# KiCad board HPM6E00FULLPORTRevB.kicad_pcb (continued)
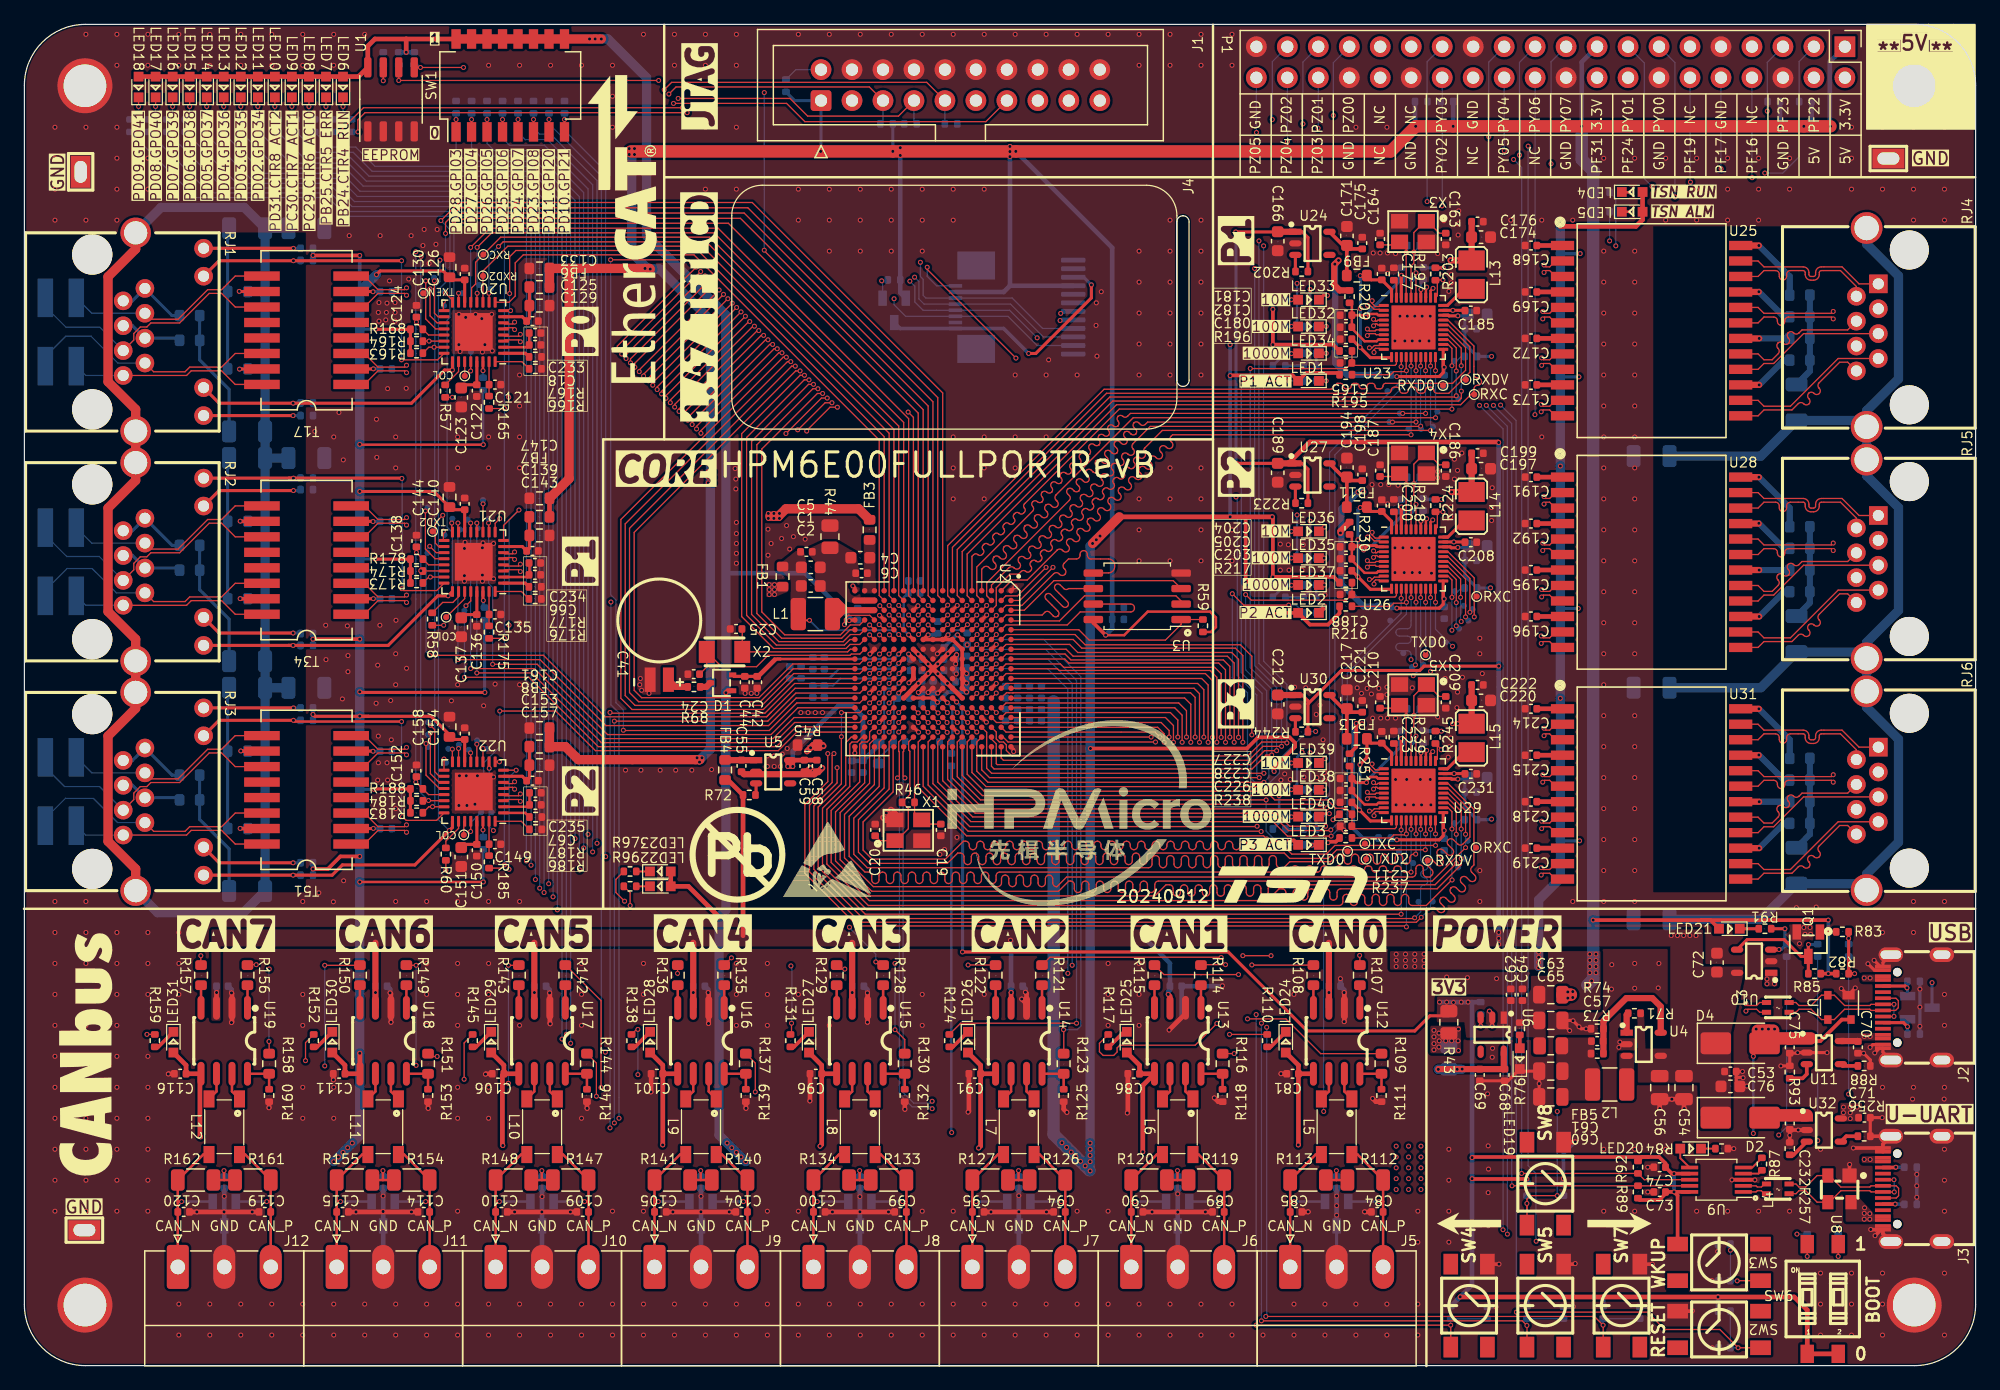
[diagram p0: board, top side]
## Nets (continued)
/HPM6E00 FULL PORT MAINENTRY/26-TSN-P3/G1_DD+: RJ6.7 U31.14
/HPM6E00 FULL PORT MAINENTRY/26-TSN-P3/G1_DD-: RJ6.8 U31.13
/HPM6E00 FULL PORT MAINENTRY/26-TSN-P3/LED0: LED39.1 U29.32
/HPM6E00 FULL PORT MAINENTRY/26-TSN-P3/LED1: LED38.2 R242.1 U29.33
/HPM6E00 FULL PORT MAINENTRY/26-TSN-P3/LED2: R240.1 R243.1 R249.2 U29.34
/HPM6E00 FULL PORT MAINENTRY/26-TSN-P3/MDI0N: U29.2 U31.3
/HPM6E00 FULL PORT MAINENTRY/26-TSN-P3/MDI0P: U29.1 U31.2
/HPM6E00 FULL PORT MAINENTRY/26-TSN-P3/MDI1N: U29.5 U31.6
/HPM6E00 FULL PORT MAINENTRY/26-TSN-P3/MDI1P: U29.4 U31.5
/HPM6E00 FULL PORT MAINENTRY/26-TSN-P3/MDI2N: U29.7 U31.9
/HPM6E00 FULL PORT MAINENTRY/26-TSN-P3/MDI2P: U29.6 U31.8
/HPM6E00 FULL PORT MAINENTRY/26-TSN-P3/MDI3N: U29.10 U31.12
/HPM6E00 FULL PORT MAINENTRY/26-TSN-P3/MDI3P: U29.9 U31.11
/HPM6E00 FULL PORT MAINENTRY/26-TSN-P3/REGOUT: L15.1 U29.30
/HPM6E00 FULL PORT MAINENTRY/PA0: R89.1 U2.K4 U9.9
/HPM6E00 FULL PORT MAINENTRY/PA1: R92.1 U2.K5 U9.8
/HPM6E00 FULL PORT MAINENTRY/PA2: R98.2 U2.J4
/HPM6E00 FULL PORT MAINENTRY/PA3: R99.2 U2.J5
/HPM6E00 FULL PORT MAINENTRY/PA4: J1.13 U2.H3
/HPM6E00 FULL PORT MAINENTRY/PA5: J1.5 R55.2 U2.H4
/HPM6E00 FULL PORT MAINENTRY/PA6: J1.9 R53.2 U2.H5
/HPM6E00 FULL PORT MAINENTRY/PA7: J1.7 R54.2 U2.G5
/HPM6E00 FULL PORT MAINENTRY/PA8: J1.3 U2.K1
/HPM6E00 FULL PORT MAINENTRY/PA9: R165.2 R175.2 R185.2 U2.K2
/HPM6E00 FULL PORT MAINENTRY/PA10: C124.1 C138.1 C152.1 R168.2 R178.2 R188.2 U2.K3 U20.21 U21.21 U22.21
/HPM6E00 FULL PORT MAINENTRY/PA11: R1.1 RJ1.11 U2.J1 U20.25
/HPM6E00 FULL PORT MAINENTRY/PA12: R41.2 U1.5 U2.J2
/HPM6E00 FULL PORT MAINENTRY/PA13: R39.2 U1.6 U2.J3
/HPM6E00 FULL PORT MAINENTRY/PA14: R5.1 RJ2.12 U2.H1 U21.25
/HPM6E00 FULL PORT MAINENTRY/PA15: R9.1 RJ3.12 U2.H2 U22.25
/HPM6E00 FULL PORT MAINENTRY/PA16: R57.2 U2.P1 U20.8
/HPM6E00 FULL PORT MAINENTRY/PA17: U2.P2 U20.9
/HPM6E00 FULL PORT MAINENTRY/PA18: RXD1#3.1 U2.N1 U20.10
/HPM6E00 FULL PORT MAINENTRY/PA19: RXD2.1 U2.N2 U20.11
/HPM6E00 FULL PORT MAINENTRY/PA20: RXD3#2.1 U2.M1 U20.12
/HPM6E00 FULL PORT MAINENTRY/PA21: RXC.1 U2.M2 U20.13
/HPM6E00 FULL PORT MAINENTRY/PA22: P1.22 U2.L1
/HPM6E00 FULL PORT MAINENTRY/PA23: RXER.1 U2.L2 U20.28
/HPM6E00 FULL PORT MAINENTRY/PA24: TXC#3.1 U2.P3 U20.15
/HPM6E00 FULL PORT MAINENTRY/PA25: TXD0#4.1 U2.N3 U20.16
/HPM6E00 FULL PORT MAINENTRY/PA26: TXD1#6.1 U2.N4 U20.17
/HPM6E00 FULL PORT MAINENTRY/PA27: TXD2#6.1 U2.M3 U20.18
/HPM6E00 FULL PORT MAINENTRY/PA28: TXD3#6.1 U2.M4 U20.19
/HPM6E00 FULL PORT MAINENTRY/PA29: TXEN.1 U2.M5 U20.20
/HPM6E00 FULL PORT MAINENTRY/PA30: R163.1 R173.1 R183.1 U2.L4 U20.23 U21.23 U22.23
/HPM6E00 FULL PORT MAINENTRY/PA31: R164.1 R174.1 R184.1 U2.L5 U20.22 U21.22 U22.22
/HPM6E00 FULL PORT MAINENTRY/PB0: RXDV#2.1 U2.G1 U23.26
/HPM6E00 FULL PORT MAINENTRY/PB1: RXD0.1 U2.G2 U23.25
/HPM6E00 FULL PORT MAINENTRY/PB2: RXD1#4.1 U2.F1 U23.24
/HPM6E00 FULL PORT MAINENTRY/PB3: RXD2#4.1 U2.F2 U23.23
/HPM6E00 FULL PORT MAINENTRY/PB4: R194.2 RXD3#4.1 U2.E1 U23.22
/HPM6E00 FULL PORT MAINENTRY/PB5: RXC#3.1 U2.E2 U23.27
/HPM6E00 FULL PORT MAINENTRY/PB6: TXC#4.1 U2.D1 U23.20
/HPM6E00 FULL PORT MAINENTRY/PB7: TXD0#3.1 U2.D2 U23.18
/HPM6E00 FULL PORT MAINENTRY/PB8: TXD1#4.1 U2.C1 U23.17
/HPM6E00 FULL PORT MAINENTRY/PB9: TXD2#4.1 U2.C2 U23.16
/HPM6E00 FULL PORT MAINENTRY/PB10: TXD3#4.1 U2.B1 U23.15
/HPM6E00 FULL PORT MAINENTRY/PB11: TXEN#5.1 U2.C3 U23.19
/HPM6E00 FULL PORT MAINENTRY/PB12: RXDV#3.1 U2.G4 U26.26
/HPM6E00 FULL PORT MAINENTRY/PB13: RXD0#2.1 U2.F3 U26.25
/HPM6E00 FULL PORT MAINENTRY/PB14: RXD1#5.1 U2.F4 U26.24
/HPM6E00 FULL PORT MAINENTRY/PB15: RXD2#2.1 U2.E3 U26.23
/HPM6E00 FULL PORT MAINENTRY/PB16: R215.2 RXD3#5.1 U2.E4 U26.22
/HPM6E00 FULL PORT MAINENTRY/PB17: RXC#4.1 U2.D3 U26.27
/HPM6E00 FULL PORT MAINENTRY/PB18: TXC#5.1 U2.F5 U26.20
/HPM6E00 FULL PORT MAINENTRY/PB19: TXD0.1 U2.E5 U26.18
/HPM6E00 FULL PORT MAINENTRY/PB20: TXD1.1 U2.E6 U26.17
/HPM6E00 FULL PORT MAINENTRY/PB21: TXD2#3.1 U2.D5 U26.16
/HPM6E00 FULL PORT MAINENTRY/PB22: TXD3.1 U2.C4 U26.15
/HPM6E00 FULL PORT MAINENTRY/PB23: TXEN#6.1 U2.C5 U26.19
/HPM6E00 FULL PORT MAINENTRY/PB24: R26.1 U2.A2
/HPM6E00 FULL PORT MAINENTRY/PB25: R27.1 U2.B2
/HPM6E00 FULL PORT MAINENTRY/PC0: R107.1 U2.A6
/HPM6E00 FULL PORT MAINENTRY/PC1: R108.1 U2.B6
/HPM6E00 FULL PORT MAINENTRY/PC2: R109.1 U2.C6
/HPM6E00 FULL PORT MAINENTRY/PC3: R116.1 U2.A7
/HPM6E00 FULL PORT MAINENTRY/PC4: R115.1 U2.B7
/HPM6E00 FULL PORT MAINENTRY/PC5: R114.1 U2.A8
/HPM6E00 FULL PORT MAINENTRY/PC6: R110.1 U2.B8
/HPM6E00 FULL PORT MAINENTRY/PC7: R117.1 U2.A9
/HPM6E00 FULL PORT MAINENTRY/PC8: R121.1 U2.B9
/HPM6E00 FULL PORT MAINENTRY/PC9: R122.1 U2.D6
/HPM6E00 FULL PORT MAINENTRY/PC10: R123.1 U2.D7
/HPM6E00 FULL PORT MAINENTRY/PC11: R124.1 U2.E7
/HPM6E00 FULL PORT MAINENTRY/PC12: R131.1 U2.C8
/HPM6E00 FULL PORT MAINENTRY/PC13: R130.1 U2.D8
/HPM6E00 FULL PORT MAINENTRY/PC14: R129.1 U2.E8
/HPM6E00 FULL PORT MAINENTRY/PC15: R128.1 U2.C9
/HPM6E00 FULL PORT MAINENTRY/PC16: R135.1 U2.D9
/HPM6E00 FULL PORT MAINENTRY/PC17: R136.1 U2.E9
/HPM6E00 FULL PORT MAINENTRY/PC18: R137.1 U2.A10
/HPM6E00 FULL PORT MAINENTRY/PC19: R144.1 U2.B10
/HPM6E00 FULL PORT MAINENTRY/PC20: R143.1 U2.A11
/HPM6E00 FULL PORT MAINENTRY/PC21: R142.1 U2.B11
/HPM6E00 FULL PORT MAINENTRY/PC22: R138.1 U2.A12
/HPM6E00 FULL PORT MAINENTRY/PC23: R145.1 U2.B12
/HPM6E00 FULL PORT MAINENTRY/PC24: R149.1 U2.A13
/HPM6E00 FULL PORT MAINENTRY/PC25: R150.1 U2.B13
/HPM6E00 FULL PORT MAINENTRY/PC26: R151.1 U2.A14
/HPM6E00 FULL PORT MAINENTRY/PC27: R152.1 U2.B14
/HPM6E00 FULL PORT MAINENTRY/PC28: R159.1 U2.A15
/HPM6E00 FULL PORT MAINENTRY/PC29: R28.1 U2.B15
/HPM6E00 FULL PORT MAINENTRY/PC30: R29.1 U2.A16
/HPM6E00 FULL PORT MAINENTRY/PC31: R30.1 U2.B16
/HPM6E00 FULL PORT MAINENTRY/PD0: R96.1 U2.C10
/HPM6E00 FULL PORT MAINENTRY/PD1: R97.1 U2.D10
/HPM6E00 FULL PORT MAINENTRY/PD2: R31.1 U2.E10
/HPM6E00 FULL PORT MAINENTRY/PD3: R32.1 U2.D11
/HPM6E00 FULL PORT MAINENTRY/PD4: R33.1 U2.E11
/HPM6E00 FULL PORT MAINENTRY/PD5: R34.1 U2.C12
/HPM6E00 FULL PORT MAINENTRY/PD6: R35.1 U2.D12
/HPM6E00 FULL PORT MAINENTRY/PD7: R36.1 U2.E12
/HPM6E00 FULL PORT MAINENTRY/PD8: R37.1 U2.C13
/HPM6E00 FULL PORT MAINENTRY/PD9: R38.1 U2.D13
/HPM6E00 FULL PORT MAINENTRY/PD10: R18.2 SW1.8 U2.E13
/HPM6E00 FULL PORT MAINENTRY/PD11: R19.2 SW1.7 U2.C14
/HPM6E00 FULL PORT MAINENTRY/PD12: R13.1 U2.D15
/HPM6E00 FULL PORT MAINENTRY/PD13: R16.1 U2.C15
/HPM6E00 FULL PORT MAINENTRY/PD14: R17.1 U2.B17
/HPM6E00 FULL PORT MAINENTRY/PD15: R203.1 U2.C16 U23.31
/HPM6E00 FULL PORT MAINENTRY/PD16: C165.1 R196.2 U2.C17 U23.12
/HPM6E00 FULL PORT MAINENTRY/PD17: C188.1 R217.2 U2.D16 U26.12
/HPM6E00 FULL PORT MAINENTRY/PD18: R224.1 U2.D17 U26.31
/HPM6E00 FULL PORT MAINENTRY/PD19: R245.1 U2.E16 U29.31
/HPM6E00 FULL PORT MAINENTRY/PD20: R14.1 U2.E17
/HPM6E00 FULL PORT MAINENTRY/PD21: R15.1 U2.F16
/HPM6E00 FULL PORT MAINENTRY/PD22: C211.1 R238.2 U2.F17 U29.12
/HPM6E00 FULL PORT MAINENTRY/PD23: R20.2 SW1.6 U2.E15
/HPM6E00 FULL PORT MAINENTRY/PD24: R21.2 SW1.5 U2.E14
/HPM6E00 FULL PORT MAINENTRY/PD25: R22.2 SW1.4 U2.F15
/HPM6E00 FULL PORT MAINENTRY/PD26: R23.2 SW1.3 U2.F14
/HPM6E00 FULL PORT MAINENTRY/PD27: R24.2 SW1.2 U2.F13
/HPM6E00 FULL PORT MAINENTRY/PD28: R25.2 SW1.1 U2.G14
/HPM6E00 FULL PORT MAINENTRY/PD29: R158.1 U2.G13
/HPM6E00 FULL PORT MAINENTRY/PD30: R157.1 U2.H15
/HPM6E00 FULL PORT MAINENTRY/PD31: R156.1 U2.H14
/HPM6E00 FULL PORT MAINENTRY/PE0: MDC#2.1 U2.G17 U23.13
/HPM6E00 FULL PORT MAINENTRY/PE1: R195.2 U2.G16 U23.14
/HPM6E00 FULL PORT MAINENTRY/PE2: C80.1 R101.2 SW8.4 U2.H17
/HPM6E00 FULL PORT MAINENTRY/PE3: T78.1 U2.H16 U26.13
/HPM6E00 FULL PORT MAINENTRY/PE4: R216.2 U2.J17 U26.14
/HPM6E00 FULL PORT MAINENTRY/PE5: C77.1 R94.2 SW4.4 U2.J16
/HPM6E00 FULL PORT MAINENTRY/PE6: C78.1 R95.2 SW5.4 U2.K17
/HPM6E00 FULL PORT MAINENTRY/PE7: C79.1 R100.2 SW7.4 U2.K16
/HPM6E00 FULL PORT MAINENTRY/PE8: R60.2 U2.J15 U22.8
/HPM6E00 FULL PORT MAINENTRY/PE9: U2.J14 U22.9
/HPM6E00 FULL PORT MAINENTRY/PE10: RXD1#2.1 U2.H13 U22.10
/HPM6E00 FULL PORT MAINENTRY/PE11: RXD2#5.1 U2.K15 U22.11
/HPM6E00 FULL PORT MAINENTRY/PE12: RXD3#3.1 U2.K14 U22.12
/HPM6E00 FULL PORT MAINENTRY/PE13: RXC#6.1 U2.J13 U22.13
/HPM6E00 FULL PORT MAINENTRY/PE14: TXC#2.1 U2.L14 U22.15
/HPM6E00 FULL PORT MAINENTRY/PE15: TXD0#5.1 U2.L13 U22.16
/HPM6E00 FULL PORT MAINENTRY/PE16: TXD1#5.1 U2.K13 U22.17
/HPM6E00 FULL PORT MAINENTRY/PE17: TXD2#5.1 U2.M15 U22.18
/HPM6E00 FULL PORT MAINENTRY/PE18: TXD3#3.1 U2.M14 U22.19
/HPM6E00 FULL PORT MAINENTRY/PE19: TXEN#4.1 U2.M13 U22.20
/HPM6E00 FULL PORT MAINENTRY/PE20: RXDV.1 U2.R17 U29.26
/HPM6E00 FULL PORT MAINENTRY/PE21: RXD0#3.1 U2.R16 U29.25
/HPM6E00 FULL PORT MAINENTRY/PE22: RXD1.1 U2.R15 U29.24
/HPM6E00 FULL PORT MAINENTRY/PE23: RXD2#6.1 U2.T17 U29.23
/HPM6E00 FULL PORT MAINENTRY/PE24: R236.2 RXD3.1 U2.T16 U29.22
/HPM6E00 FULL PORT MAINENTRY/PE25: RXC#2.1 U2.U16 U29.27
/HPM6E00 FULL PORT MAINENTRY/PE26: TXC.1 U2.N17 U29.20
/HPM6E00 FULL PORT MAINENTRY/PE27: TXD0#2.1 U2.N16 U29.18
/HPM6E00 FULL PORT MAINENTRY/PE28: TXD1#2.1 U2.N15 U29.17
/HPM6E00 FULL PORT MAINENTRY/PE29: TXD2.1 U2.P17 U29.16
/HPM6E00 FULL PORT MAINENTRY/PE30: TXD3#2.1 U2.P16 U29.15
/HPM6E00 FULL PORT MAINENTRY/PE31: TXEN#3.1 U2.P15 U29.19
/HPM6E00 FULL PORT MAINENTRY/PF0: MDC.1 U2.T13 U29.13
/HPM6E00 FULL PORT MAINENTRY/PF1: R237.2 U2.N12 U29.14
/HPM6E00 FULL PORT MAINENTRY/PF2: TXC#6.1 U2.U12 U21.15
/HPM6E00 FULL PORT MAINENTRY/PF3: TXD0#6.1 U2.N13 U21.16
/HPM6E00 FULL PORT MAINENTRY/PF4: TXD1#3.1 U2.N14 U21.17
/HPM6E00 FULL PORT MAINENTRY/PF5: TXD2#2.1 U2.R14 U21.18
/HPM6E00 FULL PORT MAINENTRY/PF6: TXD3#5.1 U2.U11 U21.19
/HPM6E00 FULL PORT MAINENTRY/PF7: TXEN#2.1 U2.R13 U21.20
/HPM6E00 FULL PORT MAINENTRY/PF8: R58.2 U2.R12 U21.8
/HPM6E00 FULL PORT MAINENTRY/PF9: U2.P13 U21.9
/HPM6E00 FULL PORT MAINENTRY/PF10: TRXD1.1 U2.U13 U21.10
/HPM6E00 FULL PORT MAINENTRY/PF11: RXD2#3.1 U2.P12 U21.11
/HPM6E00 FULL PORT MAINENTRY/PF12: TRXD3.1 U2.T14 U21.12
/HPM6E00 FULL PORT MAINENTRY/PF13: RXC#5.1 U2.U14 U21.13
/HPM6E00 FULL PORT MAINENTRY/PF14: RXER#2.1 U2.U15 U21.28
/HPM6E00 FULL PORT MAINENTRY/PF15: RXER#3.1 U2.T15 U22.28
/HPM6E00 FULL PORT MAINENTRY/PF16: P1.8 U2.U9
/HPM6E00 FULL PORT MAINENTRY/PF17: P1.10 U2.U10
/HPM6E00 FULL PORT MAINENTRY/PF18: R86.2 U2.T10
/HPM6E00 FULL PORT MAINENTRY/PF19: P1.12 U2.T8
/HPM6E00 FULL PORT MAINENTRY/PF20: R90.2 U2.T11
/HPM6E00 FULL PORT MAINENTRY/PF21: R81.1 U2.N11
/HPM6E00 FULL PORT MAINENTRY/PF22: P1.3 R103.1 U2.T9
/HPM6E00 FULL PORT MAINENTRY/PF23: P1.5 R104.1 U2.R8
/HPM6E00 FULL PORT MAINENTRY/PF24: P1.16 U2.P9
/HPM6E00 FULL PORT MAINENTRY/PF25: Q2.1 R102.1 U2.P10
/HPM6E00 FULL PORT MAINENTRY/PF26: J4.A6 J4.B9 U2.T12
/HPM6E00 FULL PORT MAINENTRY/PF27: J4.A8 J4.B8 U2.P11
/HPM6E00 FULL PORT MAINENTRY/PF28: J4.A4 J4.B7 U2.R10
/HPM6E00 FULL PORT MAINENTRY/PF29: J4.A5 J4.B10 U2.N10
/HPM6E00 FULL PORT MAINENTRY/PF30: J4.A3 J4.B11 U2.N9
/HPM6E00 FULL PORT MAINENTRY/PF31: P1.18 U2.R9
/HPM6E00 FULL PORT MAINENTRY/PY0: P1.13 U2.U6
/HPM6E00 FULL PORT MAINENTRY/PY1: P1.15 U2.T6
/HPM6E00 FULL PORT MAINENTRY/PY2: P1.28 R106.1 U2.U5
/HPM6E00 FULL PORT MAINENTRY/PY3: P1.27 R105.1 U2.T5
/HPM6E00 FULL PORT MAINENTRY/PY4: P1.23 U2.R6
/HPM6E00 FULL PORT MAINENTRY/PY5: P1.24 U2.R5
/HPM6E00 FULL PORT MAINENTRY/PY6: P1.21 U2.P5
/HPM6E00 FULL PORT MAINENTRY/PY7: P1.19 U2.N5
/HPM6E00 FULL PORT MAINENTRY/PZ0: P1.33 U2.P8
/HPM6E00 FULL PORT MAINENTRY/PZ1: P1.35 U2.N8
/HPM6E00 FULL PORT MAINENTRY/PZ2: P1.37 U2.P7
/HPM6E00 FULL PORT MAINENTRY/PZ3: P1.36 U2.N7
/HPM6E00 FULL PORT MAINENTRY/PZ4: P1.38 U2.P6
/HPM6E00 FULL PORT MAINENTRY/PZ5: P1.40 U2.N6
/HPM6E00 FULL PORT MAINENTRY/USB0_N: L3.3 U2.M17
/HPM6E00 FULL PORT MAINENTRY/USB0_P: L3.2 U2.M16
DCDC_GND: C1.2 C2.2 C4.2 C5.2 C6.2 R44.2 U2.R2 U2.T2 U2.U2
DCDC_IN: C4.1 C6.1 FB3.1 U2.R1 U2.T1
DCDC_LP: L1.2 U2.R3 U2.T3 U2.U3
DCDC_SNS: C1.1 C2.1 C5.1 FB1.1 L1.1 U2.M6
VANA: C3.1 C7.1 FB2.1 U2.M11
Net-(C41-Pad1): C41.1 R68.1
Net-(C57-Pad1): C57.1 C60.1 C61.1 FB5.2 L2.2 R73.2
Net-(C83-Pad1): C83.1 R112.1 R113.2
Net-(C88-Pad1): C88.1 R119.1 R120.2
Net-(C93-Pad1): C93.1 R126.1 R127.2
Net-(C98-Pad1): C98.1 R133.1 R134.2
Net-(C103-Pad1): C103.1 R140.1 R141.2
Net-(C108-Pad1): C108.1 R147.1 R148.2
Net-(C113-Pad1): C113.1 R154.1 R155.2
Net-(C118-Pad1): C118.1 R161.1 R162.2
Net-(C127-Pad2): C127.2 T17.2
Net-(C128-Pad1): C128.1 T17.7
Net-(C131-Pad1): C131.1 R169.1 R170.1
Net-(C132-Pad1): C132.1 R171.1 R172.1
Net-(C141-Pad2): C141.2 T34.2
Net-(C142-Pad1): C142.1 T34.7
Net-(C145-Pad1): C145.1 R179.1 R180.1
Net-(C146-Pad1): C146.1 R181.1 R182.1
Net-(C155-Pad2): C155.2 T51.2
Net-(C156-Pad1): C156.1 T51.7
Net-(C159-Pad1): C159.1 R189.1 R190.1
Net-(C160-Pad1): C160.1 R191.1 R192.1
Net-(C183-Pad1): C183.1 R210.1 R211.1 R212.1 R213.1
Net-(C206-Pad1): C206.1 R231.1 R232.1 R233.1 R234.1
Net-(C229-Pad1): C229.1 R252.1 R253.1 R254.1 R255.1
Net-(D1-Pad3): D1.3 R68.2
Net-(D2-A): C232.1 D2.2 U32.1
Net-(D3-K): D3.3 R81.2 R82.1 R83.2
Net-(J1-VCC/NC): J1.2 R51.1
Net-(J2-CC1): D3.1 J2.A5 R79.2
Net-(J2-CC2): D3.2 J2.B5 R77.2
Net-(J3-CC1): J3.A5 R80.2
Net-(J3-CC2): J3.B5 R78.2
Net-(LED1-K): LED1.1 R13.2
Net-(LED2-K): LED2.1 R14.2
Net-(LED3-K): LED3.1 R15.2
Net-(LED4-K): LED4.1 R16.2
Net-(LED5-K): LED5.1 R17.2
Net-(LED6-K): LED6.1 R26.2
Net-(LED7-K): LED7.1 R27.2
Net-(LED8-K): LED8.1 R28.2
Net-(LED9-K): LED9.1 R29.2
Net-(LED10-K): LED10.1 R30.2
Net-(LED11-K): LED11.1 R31.2
Net-(LED12-K): LED12.1 R32.2
Net-(LED13-K): LED13.1 R33.2
Net-(LED14-K): LED14.1 R34.2
Net-(LED15-K): LED15.1 R35.2
Net-(LED16-K): LED16.1 R36.2
Net-(LED17-K): LED17.1 R37.2
Net-(LED18-K): LED18.1 R38.2
Net-(LED19-A): LED19.2 R76.1
Net-(LED20-A): LED20.2 U9.6
Net-(LED20-K): LED20.1 R84.2
Net-(LED21-K): LED21.1 R91.2
Net-(LED22-K): LED22.1 R96.2
Net-(LED23-K): LED23.1 R97.2
Net-(LED24-K): LED24.1 R110.2
Net-(LED25-K): LED25.1 R117.2
Net-(LED26-K): LED26.1 R124.2
Net-(LED27-K): LED27.1 R131.2
Net-(LED28-K): LED28.1 R138.2
Net-(LED29-K): LED29.1 R145.2
Net-(LED30-K): LED30.1 R152.2
Net-(LED31-K): LED31.1 R159.2
Net-(LED32-K): LED32.1 R205.1
Net-(LED33-A): LED33.2 R204.1
Net-(LED34-A): LED34.2 R198.2 R199.2
Net-(LED34-K): LED34.1 R206.1 R207.1
Net-(LED35-K): LED35.1 R226.1
Net-(LED36-A): LED36.2 R225.1
Net-(LED37-A): LED37.2 R219.2 R220.2
Net-(LED37-K): LED37.1 R227.1 R228.1
Net-(LED38-K): LED38.1 R247.1
Net-(LED39-A): LED39.2 R246.1
Net-(LED40-A): LED40.2 R240.2 R241.2
Net-(LED40-K): LED40.1 R248.1 R249.1
Net-(Q1-D): Q1.3 R85.1 R86.1 U10.4
Net-(Q1-G): Q1.1 R83.1
Net-(Q2-D): J4.A1 J4.B3 Q2.3
Net-(R169-Pad2): R169.2 T17.10
Net-(R170-Pad2): R170.2 T17.15
Net-(R171-Pad2): R171.2 RJ1.4 RJ1.5
Net-(R172-Pad2): R172.2 RJ1.7 RJ1.8
Net-(R179-Pad2): R179.2 T34.10
Net-(R180-Pad2): R180.2 T34.15
Net-(R181-Pad2): R181.2 RJ2.4 RJ2.5
Net-(R182-Pad2): R182.2 RJ2.7 RJ2.8
Net-(R189-Pad2): R189.2 T51.10
Net-(R190-Pad2): R190.2 T51.15
Net-(R191-Pad2): R191.2 RJ3.4 RJ3.5
Net-(R192-Pad2): R192.2 RJ3.7 RJ3.8
Net-(SW6-PIN3): R99.1 SW6.3
Net-(SW6-PIN4): R98.1 SW6.4
Net-(U1-WP): R40.1 U1.7
Net-(U2C-USB0_VBUS): C23.1 R49.2 U2.H12
Net-(U2C-XTALI): C19.1 R46.2 U2.L17 X1.3
Net-(U2C-XTALO): C20.1 R46.1 U2.L16 X1.1
Net-(U2P-VDD_OTPCAP): C49.1 C50.1 U2.M8
Net-(U2P-VDD_PHY0CAP): C47.1 C48.1 U2.M7
Net-(U2P-VDD_PHY1CAP): C45.1 C46.1 U2.L6
Net-(U2P-VDD_PMCCAP): C51.1 C52.1 U2.M9
Net-(U4-EN): R71.2 U4.1
Net-(U4-FB): C57.2 R73.1 R74.2 U4.5
Net-(U4-LX): L2.1 U4.3
Net-(U5-EN): R72.2 U5.3
Net-(U5-IN): C55.1 FB4.1 U5.1
Net-(U6-EN): R75.2 U6.3
Net-(U9-~{CTS}): R87.2 U9.5
Net-(U9-~{RTS}): R87.1 U9.4
Net-(U10-FLG): R90.1 R91.1 U10.3
Net-(U11-EN): R88.2 U11.4
Net-(U11-IADJ): R93.2 U11.3
Net-(U11-IN): C70.1 J2.A4 J2.A9 J2.B4 J2.B9 U11.5
Net-(U12-CANH): L5.1 U12.7
Net-(U12-CANL): L5.2 U12.6
Net-(U12-RXD): R108.2 U12.4
Net-(U12-STB): R109.2 R111.2 U12.8
Net-(U12-TXD): R107.2 U12.1
Net-(U13-CANH): L6.1 U13.7
Net-(U13-CANL): L6.2 U13.6
Net-(U13-RXD): R115.2 U13.4
Net-(U13-STB): R116.2 R118.2 U13.8
Net-(U13-TXD): R114.2 U13.1
Net-(U14-CANH): L7.1 U14.7
Net-(U14-CANL): L7.2 U14.6
Net-(U14-RXD): R122.2 U14.4
Net-(U14-STB): R123.2 R125.2 U14.8
Net-(U14-TXD): R121.2 U14.1
Net-(U15-CANH): L8.1 U15.7
Net-(U15-CANL): L8.2 U15.6
Net-(U15-RXD): R129.2 U15.4
Net-(U15-STB): R130.2 R132.2 U15.8
Net-(U15-TXD): R128.2 U15.1
Net-(U16-CANH): L9.1 U16.7
Net-(U16-CANL): L9.2 U16.6
Net-(U16-RXD): R136.2 U16.4
Net-(U16-STB): R137.2 R139.2 U16.8
Net-(U16-TXD): R135.2 U16.1
Net-(U17-CANH): L10.1 U17.7
Net-(U17-CANL): L10.2 U17.6
Net-(U17-RXD): R143.2 U17.4
Net-(U17-STB): R144.2 R146.2 U17.8
Net-(U17-TXD): R142.2 U17.1
Net-(U18-CANH): L11.1 U18.7
Net-(U18-CANL): L11.2 U18.6
Net-(U18-RXD): R150.2 U18.4
Net-(U18-STB): R151.2 R153.2 U18.8
Net-(U18-TXD): R149.2 U18.1
Net-(U19-CANH): L12.1 U19.7
Net-(U19-CANL): L12.2 U19.6
Net-(U19-RXD): R157.2 U19.4
Net-(U19-STB): R158.2 R160.2 U19.8
Net-(U19-TXD): R156.2 U19.1
Net-(U20-COL): COL.1 U20.27
Net-(U20-CRS_DV): R57.1 U20.26
Net-(U20-DVDD1V2): C122.2 C123.2 U20.29
Net-(U20-EN_DLDO): R47.2 U20.30
Net-(U20-RBIAS): R167.2 U20.1
Net-(U20-REFCLK_SEL): C18.2 C233.1 U20.2
Net-(U20-XI): C121.1 R165.1 U20.31
Net-(U20-XO): R166.2 U20.32
Net-(U21-COL): COL#3.1 U21.27
Net-(U21-CRS_DV): R58.1 U21.26
Net-(U21-DVDD1V2): C136.2 C137.2 U21.29
Net-(U21-EN_DLDO): R52.2 U21.30
Net-(U21-RBIAS): R177.2 U21.1
Net-(U21-REFCLK_SEL): C66.2 C234.1 U21.2
Net-(U21-XI): C135.1 R175.1 U21.31
Net-(U21-XO): R176.2 U21.32
Net-(U22-COL): COL#2.1 U22.27
Net-(U22-CRS_DV): R60.1 U22.26
Net-(U22-DVDD1V2): C150.2 C151.2 U22.29
Net-(U22-EN_DLDO): R56.2 U22.30
Net-(U22-RBIAS): R187.2 U22.1
Net-(U22-REFCLK_SEL): C67.2 C235.1 U22.2
Net-(U22-XI): C149.1 R185.1 U22.31
Net-(U22-XO): R186.2 U22.32
Net-(U23-CLKOUT): COUT#2.1 U23.35
Net-(U23-RBIAS): R197.2 U23.39
Net-(U23-XI): C163.1 R193.1 U23.36 X3.1
Net-(U23-XO): C164.1 R193.2 U23.37 X3.3
Net-(U24-EN): R202.2 U24.3
Net-(U24-OUT): C171.1 C175.1 FB9.2 U24.5
Net-(U25-MCT1): R213.2 U25.24
Net-(U25-MCT2): R212.2 U25.21
Net-(U25-MCT3): R211.2 U25.18
Net-(U25-MCT4): R210.2 U25.15
Net-(U25-TCT1): C168.1 U25.1
Net-(U25-TCT2): C169.1 U25.4
Net-(U25-TCT4): C173.1 U25.10
Net-(U25-TDT3): C172.1 U25.7
Net-(U26-CLKOUT): COUT#3.1 U26.35
Net-(U26-RBIAS): R218.2 U26.39
Net-(U26-XI): C186.1 R214.1 U26.36 X4.1
Net-(U26-XO): C187.1 R214.2 U26.37 X4.3
Net-(U27-EN): R223.2 U27.3
Net-(U27-OUT): C194.1 C198.1 FB11.2 U27.5
Net-(U28-MCT1): R234.2 U28.24
Net-(U28-MCT2): R233.2 U28.21
Net-(U28-MCT3): R232.2 U28.18
Net-(U28-MCT4): R231.2 U28.15
Net-(U28-TCT1): C191.1 U28.1
Net-(U28-TCT2): C192.1 U28.4
Net-(U28-TCT4): C196.1 U28.10
Net-(U28-TDT3): C195.1 U28.7
Net-(U29-CLKOUT): COUT.1 U29.35
Net-(U29-RBIAS): R239.2 U29.39
Net-(U29-XI): C209.1 R235.1 U29.36 X5.1
Net-(U29-XO): C210.1 R235.2 U29.37 X5.3
Net-(U30-EN): R244.2 U30.3
Net-(U30-OUT): C217.1 C221.1 FB13.2 U30.5
Net-(U31-MCT1): R255.2 U31.24
Net-(U31-MCT2): R254.2 U31.21
Net-(U31-MCT3): R253.2 U31.18
Net-(U31-MCT4): R252.2 U31.15
Net-(U31-TCT1): C214.1 U31.1
Net-(U31-TCT2): C215.1 U31.4
Net-(U31-TCT4): C219.1 U31.10
Net-(U31-TDT3): C218.1 U31.7
Net-(U32-EN): R256.2 U32.4
Net-(U32-IADJ): R257.2 U32.3

Pads without a net: J1 11 15 17 19; J2 A8 B8; J3 A8 B8; SW2 1 3; SW3 1 3; SW4 1 3; SW5 1 3; SW7 1 3; SW8 1 3; T17 4 5 12 13; T34 4 5 12 13; T51 4 5 12 13; U5 4; U6 4; U24 4; U27 4; U30 4

## Via types
v1: diameter 0.406, hole 0.254, Top to Bottom, 1935 vias

## Routing (per net, layer and track width the routed paths; a pad name or vN(x,y) marks a point on that pad's centre or on a via; arc(x,y) is an arc through that point)
+1V8: length 8.8
  Top w0.508: v1(115.94,24.3) 115.96,24.32 v1(117.9,24.32) C68.1 121.31,24.39 U6.5
  Bottom w0.762: 117.88,24.3 v1(117.49,24.3) R42.1 115.94,24.3 v1(115.94,24.3)
+3.3V: length 604.3
  Top w0.203: v1(88.66,59.91) 90.19,59.91 92.12,61.84 97.22,61.84 97.7,61.36 97.7,60.57 97.3,60.17 R59.2
  Top w0.254: v1(76.93,33.92) 98.72,33.92 105.2,27.45 114.01,27.45 115.25,28.69 116.83,28.69 ; v1(76.44,54.42) 76.11,54.75 U2.G12
  Top w0.3: v1(135.27,14.25) 135.56,13.95 SW3.2 ; v1(135.27,14.25) 134.58,14.25 C73.2 134.57,14.1 134.05,13.58 132.47,13.58 R89.2 ; v1(135.27,14.25) U9.10 ; v1(118.71,17.06) 118.76,17.11 133.16,17.11 ; LED21.2 138.25,36.54 137.51,36.54 ; R85.2 v1(147.92,32.15) R82.2 ; 137.51,36.54 v1(147.92,36.54) ; 137.51,36.54 v1(128.64,36.54) ; 133.16,17.11 132.64,17.11 R92.2 ; 133.16,17.11 134.05,17.11 134.57,16.59 C74.1 135.1,15.75 v1(135.27,15.75) U9.7 ; v1(118.71,15.33) 118.73,15.31 v1(123.21,15.31) ; U3.8 87.65,60.92 v1(88.66,59.91)
  Top w0.381: SW6.2 SW6.1 146.19,4.56 145.13,5.63 v1(138.88,5.63) v1(129.48,5.63) v1(123.23,5.63) 117.74,5.63 v1(117.73,5.64) ; FB7.1 C147.1
  Top w0.762: 44.67,89.98 v1(50.89,89.98) 51.27,89.98 v1(51.32,89.93) ; 44.67,89.98 C133.1 FB6.1 ; 44.67,89.98 44.67,72.74 C147.1 ; FB3.2 68.4,70.27 62.45,70.27 61.84,69.66 61.13,69.66 ; C161.1 FB8.1 44.36,50.77 45.43,49.7 55.39,49.7
  Top w1.016: v1(148.1,101.64) v1(145.91,101.64) v1(143.93,101.64) v1(127.7,101.64) v1(117.16,101.64) v1(114.09,101.64) 112.03,99.58 v1(81.3,99.58) v1(71.21,99.58) v1(65.29,99.58) 49.75,99.58
  POWER3 w0.762: 61.84,69.66 59.25,69.66 56.25,72.66 56.25,73.42
  Bottom w0.203: v1(76.44,54.42) 76.9,53.96 76.9,51.2 C21.1
  Bottom w0.254: v1(71.21,99.58) 71.21,99.59 R55.1 72.15,101.84 ; C21.1 76.93,33.93 v1(76.93,33.92) ; v1(65.29,99.58) 65.33,99.62 J1.1 63.16,103.75 R51.2
  Bottom w0.3: v1(135.27,14.25) v1(135.27,15.75) ; v1(123.21,15.31) 123.21,15.3 R101.1 ; v1(147.92,36.54) v1(147.92,32.15)
  Bottom w0.381: J4.A7 80.31,88.06 80.82,88.56 ; v1(138.88,5.63) 138.88,5.63 R48.1 ; v1(129.48,5.63) 129.46,5.61 R100.1 ; 71.82,99.56 v1(71.82,99.25) R102.2 71.82,87.99 Q2.2 ; 71.82,99.56 71.24,99.56 v1(71.21,99.58) ; 71.82,99.56 v1(71.82,99.89) ; R75.1 118.71,29.81 ; 118.71,29.81 v1(118.71,17.06) v1(118.71,15.33) 118.71,6.61 v1(117.73,5.64) R94.1 ; 118.71,29.81 v1(118.38,29.81) v1(117.82,29.81) 117.21,29.81 v1(117.19,29.78) 117.16,29.81 v1(116.63,29.81) v1(116.04,29.81) ; v1(114.09,101.64) 114.03,101.69 R105.2 ; v1(148.1,101.64) 148.05,101.69 148.05,106.93 P1.1 ; R104.2 143.96,101.67 v1(143.93,101.64) ; v1(117.16,101.64) 117.16,101.64 R106.2 ; v1(127.7,101.64) 127.7,106.91 P1.17 ; v1(123.23,5.63) 123.21,5.61 R95.1 ; v1(80.81,99.57) 81.28,99.57 v1(81.3,99.58) 89.2,91.68 89.2,60.44 v1(88.66,59.91) ; R103.2 146.55,102.28 v1(145.91,101.64) ; 80.82,88.56 80.82,99.99 v1(80.81,99.99) 80.81,99.58 ; 80.82,88.56 J4.B4
  Bottom w0.762: 49.82,99.71 49.8,99.68 49.8,91.28 51.15,89.93 52.09,89.93 ; 55.39,49.7 56.25,50.56 56.25,85.77 52.09,89.93 ; 52.09,89.93 v1(51.32,89.93)
  Bottom w1.016: v1(128.16,31.21) v1(128.51,31.56) 128.64,31.69 v1(128.64,36.54) 128.64,97.83 128.72,97.91 127.7,98.92 v1(127.7,101.64)
  vias: v1(49.6,99.81) v1(49.6,99.33) v1(50.03,99.81) v1(50.03,99.33) v1(55.16,49.85) v1(55.36,49.49) v1(55.57,49.85) v1(56.07,73.32) v1(56.07,72.86) v1(56.07,72.41) v1(56.48,73.29) v1(56.48,72.84) v1(56.48,72.38) v1(61,69.89) v1(61,69.48) v1(61.46,69.89) v1(61.46,69.48) v1(61.92,69.89) v1(61.92,69.48) v1(80.81,99.15) v1(128.36,33.75) v1(128.36,33.24) v1(128.36,32.73) v1(128.36,32.22) v1(128.87,33.75) v1(128.87,33.24) v1(128.87,32.73) v1(128.87,32.22)
+3.3VA: length 25.8
  Top w0.3: v1(71.72,55.97) U2.M10
  Top w0.381: v1(63.01,49.14) 62.68,49.14 ; 63.01,49.15 63.01,49.48 ; C58.1 62.8,49.66 U5.5 62.6,49.46 v1(62.6,49.14) ; 62.83,49.15 62.83,49.48
  Bottom w0.152: v1(71.72,55.97) 71.29,55.54 70.75,55.54 70.5,55.29 70.5,51.37 70.32,51.19
  Bottom w0.381: C8.1 70.04,50.88 FB2.2 ; C8.1 68.75,49.59 C11.1 ; C8.1 68.77,53.24 67.91,54.09 66.72,54.09 63.01,50.38 v1(63.01,49.14) v1(62.6,49.14)
+5V: length 378.1
  Top w0.254: 105.25,54.27 107.99,57.01 114.42,57.01 114.77,57.37 v1(120.89,57.37) ; 105.25,54.27 105.25,54.53 104.78,55 U30.1 ; 105.25,54.27 R244.1 ; R223.1 105.25,73.52 104.78,74 U27.1 v1(99.38,74) ; R202.1 105.25,92.52 104.78,92.99 U24.1 ; C166.1 102.76,92.98 v1(99.33,92.98)
  Top w0.381: U18.3 28.78,30.59 v1(28.79,30.6) ; v1(93.79,30.44) 93.94,30.3 U13.3 ; U17.3 41.82,30.59 v1(41.82,30.6) ; U19.3 15.75,30.59 v1(15.76,30.6) ; v1(67.88,30.6) 67.88,30.59 U15.3 ; FB4.2 57.7,48.03 R72.1 58.93,35.26 ; v1(120.89,75.71) 120.85,75.75 105.4,75.75 103.65,74 ; U16.3 54.85,30.59 v1(54.85,30.6) ; v1(106.97,30.6) 106.97,30.59 U12.3 ; v1(80.91,30.6) 80.91,30.59 U14.3
  Top w0.508: C166.1 102.77,92.99 U24.1 ; U30.1 102.77,55 C212.1 ; U15.3 67.88,34.68 ; U27.1 102.77,74 C189.1 ; U17.3 41.82,34.68 ; U12.3 106.97,34.68 ; U16.3 54.85,34.68 ; U18.3 28.78,34.68
  POWER3 w1.016: 138.14,35.12 146.14,43.12 ; v1(137.07,35.27) 139.66,35.27 147.06,42.66 147.06,105.31 P1.4 ; v1(137.07,35.27) v1(135.04,35.27) ; v1(137.07,35.27) 137.96,35.27 ; 145.25,41.75 145.25,94.02 ; 146.07,43.27 146.07,93.64
  POWER3 w1.27: P1.2 P1.4
  Bottom w0.254: v1(99.33,92.98) 99.35,92.95 99.35,74.02 v1(99.38,74)
  Bottom w0.381: C97.2 67.88,31.11 v1(67.88,30.6) ; v1(80.91,30.6) 80.91,31.11 C92.2 80.91,34.85 v1(80.86,34.89) ; v1(41.82,30.6) 41.82,31.11 C107.2 ; v1(91.91,35.02) 93.94,32.99 C87.2 93.94,30.81 93.79,30.66 v1(93.79,30.44) ; v1(120.89,75.71) v1(120.89,35.52) 120.89,34.59 ; C117.2 15.76,31.11 v1(15.76,30.6) ; v1(28.79,30.6) 28.79,31.11 C112.2 ; C102.2 54.85,31.11 v1(54.85,30.6) ; v1(106.97,30.6) 106.97,31.11 C82.2
  vias: v1(120.89,35.04) v1(120.89,34.56) v1(135.55,35.27) v1(136.06,35.27) v1(136.57,35.27)
